# Allegro board HB1A-AAFM.brd (continued)
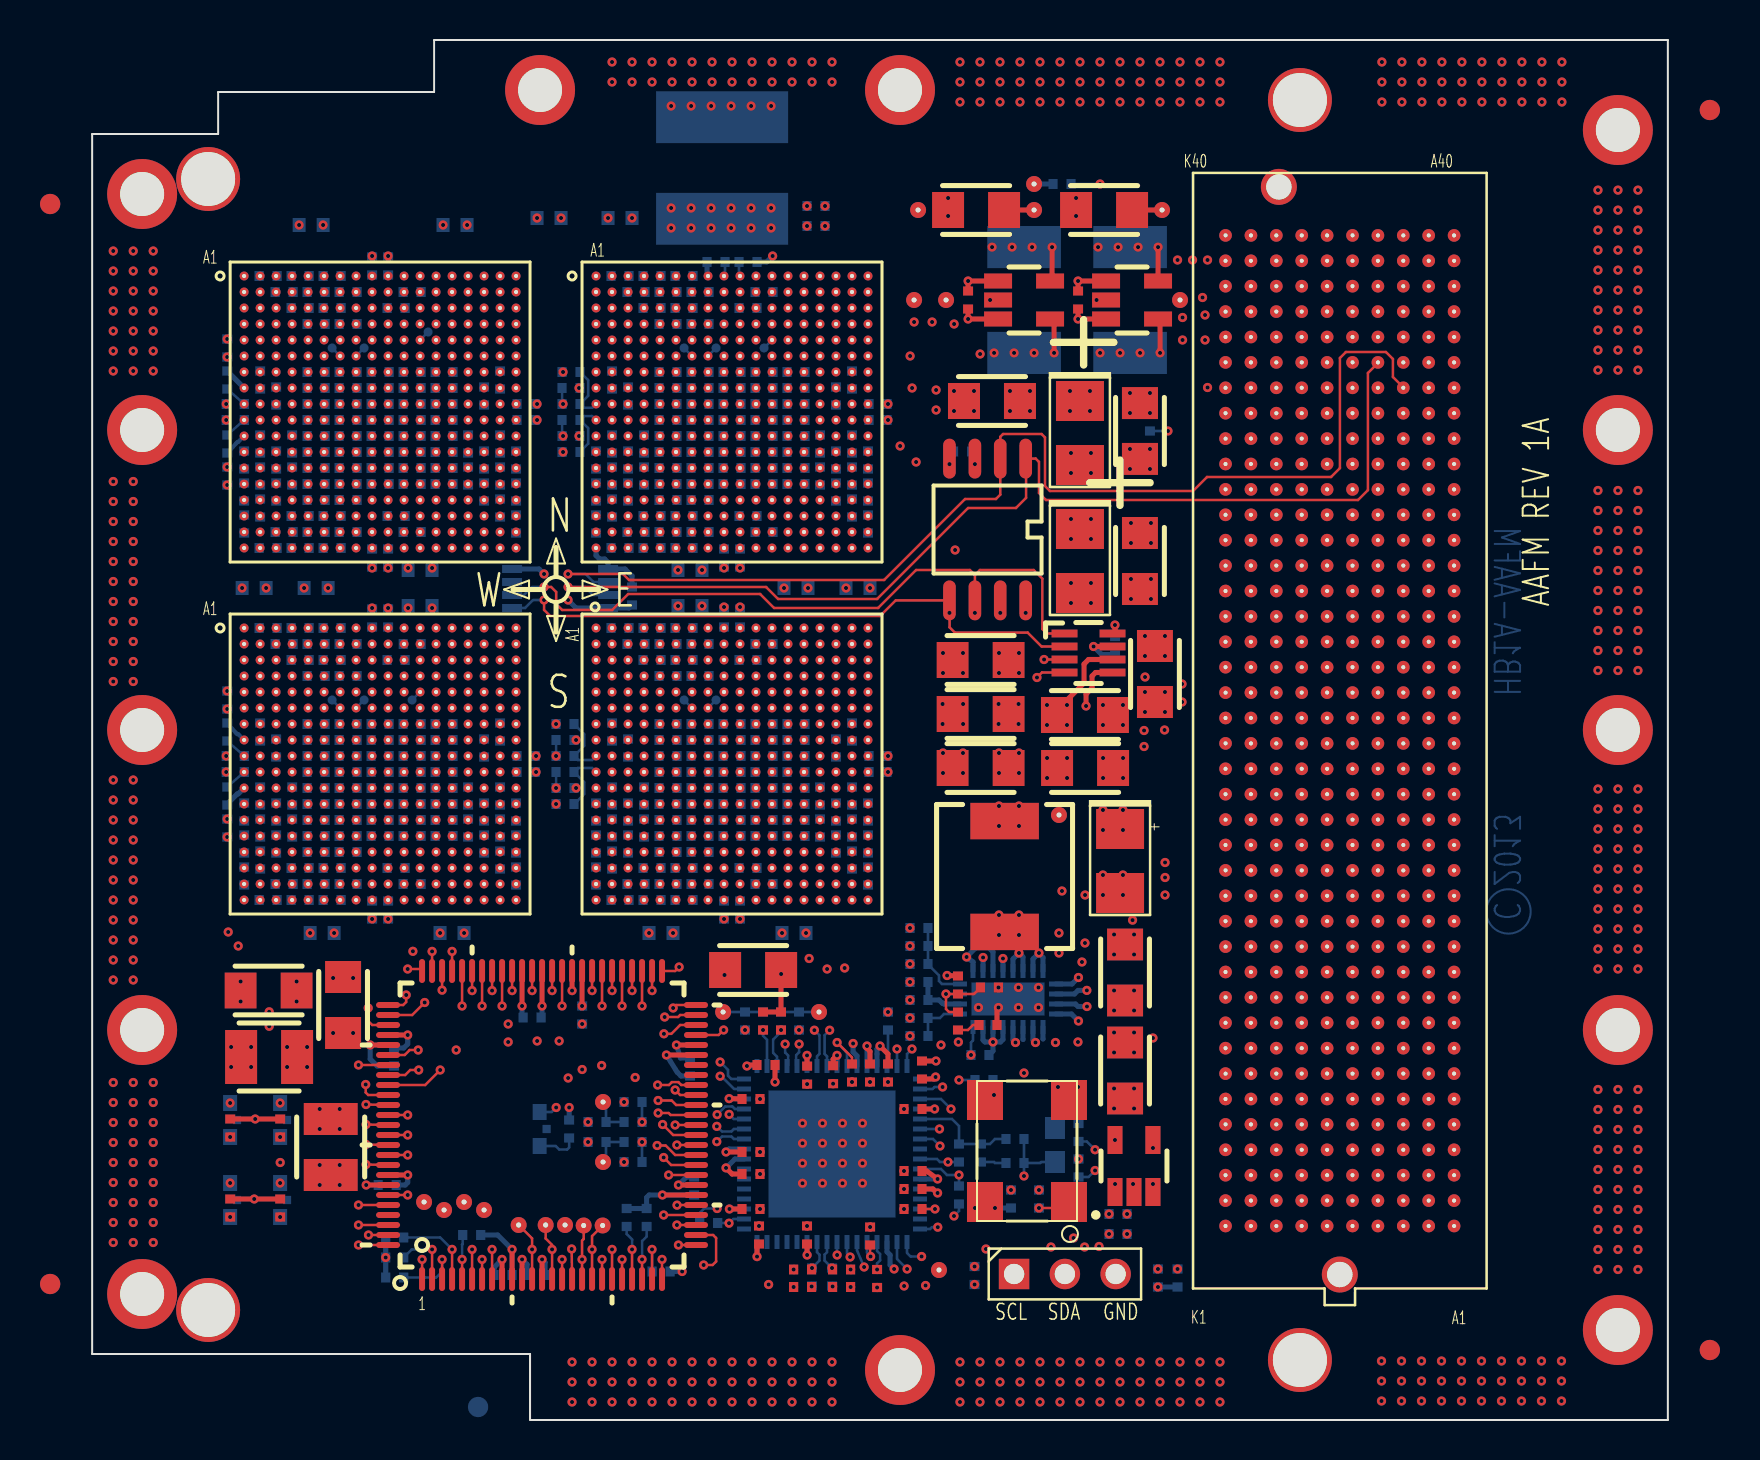
[diagram p0: board, top side]
## Routing (per net, layer and track width the routed paths; a pad name or vN(x,y) marks a point on that pad's centre or on a via; arc(x,y) is an arc through that point) (continued)
UR_LR_SN_DATA_N_2: length 29.3
  SIGNAL_L5-X w0.114: U4.U14 35.4,44 35.2,43.8 35.2,43.36 35.04,43.2 34.25,43.2 33.95,42.9 33.95,42.3 34.15,42.1 36.38,42.1 36.53,41.95 36.53,41.62 36.65,41.5 36.89,41.5 37.01,41.62 37.01,42.2 37.13,42.32 38,42.32 38.15,42.17 38.15,41.35 37.95,41.15 34.35,41.15 33.51,41.99 31.45,41.99 31.22,41.76 29,41.76 28.43,42.33 25.79,42.33 25.34,41.89 25.34,41.31 25.86,40.79 27.51,40.79 28,40.3 28,38.6 27.8,38.4 U8.C4
UR_LR_SN_DATA_N_3: length 29.2
  SIGNAL_L5-X w0.114: U8.D5 28,37.6 28,38.2 28.2,38.4 29.36,38.4 29.4,38.41 29.6,38.6 29.6,39.8 29.41,39.98 29.03,39.98 27.78,41.23 26.04,41.23 25.78,41.49 25.78,41.67 26.01,41.89 28.13,41.89 28.7,41.32 31.23,41.32 31.47,41.08 32.71,41.08 32.91,40.88 32.91,40.57 33.03,40.45 33.27,40.45 33.39,40.57 33.39,40.88 33.5,40.99 33.74,40.99 34.05,40.68 38.68,40.68 39.3,41.3 39.3,42.5 39.04,42.76 36.34,42.76 36.23,42.87 36.23,43.03 36.4,43.2 U4.V15
UR_LR_SN_DATA_N_4: length 29.2
  SIGNAL_L5-X w0.114: U8.A4 27.6,40.2 27.23,40.57 25.77,40.57 25.12,41.21 25.12,41.98 25.7,42.55 28.6,42.55 29.15,42 31,42 31.21,42.21 33.2,42.21 33.4,42.41 33.4,42.7 33.5,42.8 33.5,43 33.3,43.2 28.2,43.2 28,43.4 28,43.8 28.2,44 35,44 35.2,44.2 35.2,45.6 U4.R14
UR_LR_SN_DATA_N_5: length 29.1
  SIGNAL_L5-X w0.114: U8.B5 28.8,39.2 28.8,39.9 27.69,41.01 25.95,41.01 25.56,41.4 25.56,41.76 25.91,42.11 28.28,42.11 28.85,41.54 31.51,41.54 31.75,41.3 32.65,41.3 32.8,41.45 32.8,41.62 32.95,41.77 33.18,41.77 33.35,41.6 33.35,41.31 33.45,41.21 33.94,41.21 34.25,40.9 38.3,40.9 38.5,41.1 38.5,41.95 38.65,42.1 38.95,42.1 39.07,42.22 39.07,42.42 38.95,42.54 36.79,42.54 36.65,42.4 35.25,42.4 35.1,42.55 35.1,42.8 35.25,42.95 35.65,42.95 36,43.3 36,44.8 U4.T15
UR_LR_SN_DATA_N_6: length 28.5
  SIGNAL_L5-X w0.114: U8.C6 29.6,38.2 29.8,38.4 30.2,38.4 30.4,38.6 30.4,39.85 30.04,40.2 29.14,40.2 28.6,40.75 28.6,40.95 28.75,41.1 30.95,41.1 31.1,40.95 31.1,40.45 31.34,40.2 34.35,40.2 34.47,40.33 34.47,40.33 34.59,40.45 34.83,40.45 34.95,40.33 34.95,40.33 35.07,40.2 35.31,40.2 35.43,40.33 35.43,40.33 35.55,40.45 35.79,40.45 35.91,40.33 35.91,40.33 36.03,40.2 36.27,40.2 36.39,40.33 36.39,40.33 36.51,40.45 36.75,40.45 36.87,40.33 36.87,40.33 36.99,40.2 37.23,40.2 37.35,40.33 37.35,40.33 37.47,40.45 37.71,40.45 37.83,40.33 37.83,40.33 37.95,40.2 38.19,40.2 38.31,40.33 38.31,40.33 38.43,40.45 38.67,40.45 38.79,40.33 38.79,40.33 38.91,40.2 39.25,40.2 39.25,40.2 39.4,40.35 39.4,40.8 39.61,41.02 40.19,41.02 40.3,41.13 40.3,41.3 40.2,41.4 39.6,41.4 39.52,41.48 39.52,41.7 39.62,41.8 40.2,41.8 40.3,41.9 40.3,42.1 40.2,42.2 39.6,42.2 39.52,42.28 39.52,42.5 39.62,42.6 40.2,42.6 40.3,42.7 40.3,42.9 40.22,42.98 37.12,42.98 36.8,43.3 36.8,44 U4.U16
UR_LR_SN_DATA_N_7: length 29.2
  SIGNAL_L5-X w0.114: U4.V17 38.4,44 39.45,44 39.95,44.5 40.25,44.5 40.57,44.18 40.57,43.43 40.82,43.18 40.82,38.47 40.6,38.25 39.65,38.25 39,37.6 37.8,37.6 37.6,37.8 37.6,39 37.4,39.2 37,39.2 36.8,39 36.8,37.8 36.6,37.6 36.2,37.6 36,37.8 36,39 35.8,39.2 35.4,39.2 35.2,39 35.2,37.8 35,37.6 34.62,37.6 34.4,37.83 34.4,39 34.2,39.2 32.2,39.2 32,39 32,37 31.8,36.8 30.4,36.8 U8.D7
UR_LR_SN_DATA_P_0: length 29.3
  SIGNAL_L5-X w0.114: U4.R11 32.9,46 32.8,46.1 32.8,47 33,47.2 33.4,47.2 33.6,47.4 33.6,47.9 33.7,48 34.2,48 34.4,48.2 34.4,48.6 34.2,48.8 33,48.8 32.8,49 32.8,49.4 33,49.6 35,49.6 35.2,49.8 35.2,50.2 35,50.4 33,50.4 32.8,50.2 32.8,49.8 32.6,49.6 32.2,49.6 32,49.4 32,49 31.8,48.8 31.4,48.8 31.2,48.6 31.2,48.2 31,48 30.6,48 30.4,47.8 30.4,47.4 30.2,47.2 29.8,47.2 29.6,47 29.6,46.6 29.4,46.4 29,46.4 28.8,46.2 28.8,45.8 28.6,45.6 28.2,45.6 28,45.4 28,45 27.8,44.8 27.4,44.8 27.2,44.6 27.2,44.2 27,44 26.6,44 26.4,43.8 26.4,43.3 26.12,43.02 25.54,43.02 24.68,42.16 24.68,41.03 25.59,40.12 26.28,40.12 U8.A3
UR_LR_SN_DATA_P_1: length 29
  SIGNAL_L8-X w0.089: U8.B4 28,39.2 28,39.9 27.64,40.26 25.77,40.26 24.8,41.22 24.8,41.85 25.93,42.98 26.38,42.98 26.62,43.22 27.02,43.22 27.2,43.4 27.2,43.8 27.4,44 27.8,44 28,44.2 28,44.6 28.2,44.8 28.6,44.8 28.8,45 28.8,45.4 29,45.6 29.4,45.6 29.6,45.4 29.6,45 29.4,44.8 29,44.8 28.8,44.6 28.8,44.2 28.6,44 28.2,44 28,43.8 28,43.35 28.13,43.22 32.44,43.22 33.35,42.3 34.44,42.3 34.74,41.99 34.89,41.99 35,42.1 35,42.23 34.51,42.71 33.54,42.71 32.8,43.45 32.8,44.6 33,44.8 33.4,44.8 33.6,45 U4.T12
UR_LR_SN_DATA_P_2: length 29.3
  SIGNAL_L8-X w0.089: U8.C5 28.7,38 28.79,38.09 28.79,39.91 28,40.7 25.95,40.7 25.58,41.07 25.58,41.07 25.35,41.3 25.35,41.71 26.18,42.54 26.75,42.54 26.98,42.77 27.32,42.77 27.56,42.54 27.85,42.54 28.09,42.77 28.47,42.77 29.14,42.11 31.73,42.11 31.98,41.86 33.45,41.86 34.43,40.88 38.13,40.88 38.29,41.04 38.29,42.02 38.1,42.21 37.54,42.21 37.42,42.33 37.42,42.63 37.3,42.75 37.06,42.75 36.94,42.63 36.94,42.33 36.82,42.21 36.58,42.21 36.46,42.33 36.46,42.63 36.34,42.75 36.1,42.75 35.98,42.63 35.98,42.33 35.86,42.21 35.64,42.21 34.4,43.45 34.4,44 U4.U13
UR_LR_SN_DATA_P_3: length 29.2
  SIGNAL_L8-X w0.089: U4.V14 36.02,44.02 39.05,44.02 39.26,43.81 39.26,43.37 39.69,42.94 39.69,40.62 39.29,40.22 33.42,40.22 32.6,41.04 30.81,41.04 30.4,41.45 28.86,41.45 28.43,41.88 27.03,41.88 26.9,41.75 26.9,41.5 27.04,41.36 28.4,41.36 28.67,41.09 29.51,41.09 29.75,40.85 29.75,40.35 29.9,40.2 30.25,40.2 30.4,40.05 30.4,39.4 30.2,39.2 29.8,39.2 29.6,39 29.6,37.8 U8.D6
UR_LR_SN_DATA_P_4: length 29.2
  SIGNAL_L8-X w0.089: U8.A5 28.4,39.91 27.84,40.48 25.86,40.48 25.07,41.27 25.07,41.77 26.06,42.76 26.55,42.76 26.78,42.99 29.5,42.99 29.84,42.65 30.05,42.65 30.39,42.99 30.7,42.99 30.95,42.75 31.2,42.75 31.21,42.76 31.21,42.76 31.44,42.99 31.85,42.99 32,42.85 32,42.28 32.2,42.08 33.55,42.08 34.53,41.1 34.8,41.1 35,41.3 35,41.6 35.1,41.7 35.3,41.7 35.4,41.6 35.4,41.3 35.6,41.1 36.1,41.1 36.25,41.25 36.25,41.55 36.4,41.7 36.63,41.7 36.73,41.6 36.73,41.22 36.85,41.1 37.15,41.1 37.3,41.25 37.3,41.84 37.15,41.99 35.55,41.99 34.32,43.22 33.73,43.22 33.6,43.35 33.6,44.6 33.8,44.8 34.2,44.8 34.4,45 34.4,45.6 U4.R13
UR_LR_SN_DATA_P_5: length 29.1
  SIGNAL_L8-X w0.089: U8.B6 29.4,39.2 29.6,39.4 29.6,39.8 28.26,41.14 26.31,41.14 26.03,41.41 26.03,41.77 26.36,42.1 28.52,42.1 28.95,41.67 30.6,41.67 31.01,41.26 33.34,41.26 33.5,41.1 33.5,40.95 33.35,40.8 33.35,40.65 33.56,40.44 39.2,40.44 39.47,40.71 39.47,42.84 39.1,43.22 35.38,43.22 35.2,43.4 35.2,44.6 35.4,44.8 U4.T14
UR_LR_SN_DATA_P_6: length 28.5
  SIGNAL_L5-X w0.114: U8.C7 29.6,37.6 29.6,36.2 29.8,36 32.6,36 32.8,36.2 32.8,38.2 33,38.4 33.4,38.4 33.6,38.2 33.6,37.8 33.8,37.6 34.2,37.6 34.4,37.4 34.4,37 34.6,36.8 39.2,36.8 39.45,37.05 39.45,37.45 39.93,37.93 40.62,37.93 41.04,38.35 41.04,43.36 40.79,43.61 40.79,44.41 40.4,44.8 36.8,44.8 U4.U15
UR_LR_SN_DATA_P_7: length 29.3
  SIGNAL_L5-X w0.114: U8.D8 31.2,37.6 31.2,39.8 31.38,39.98 34.22,39.98 34.4,39.8 34.4,39.41 34.61,39.2 35,39.2 35.2,39.4 35.2,39.78 35.4,39.98 35.81,39.98 36,39.8 36,39.4 36.2,39.2 36.6,39.2 36.8,39.4 36.8,39.78 37,39.98 37.41,39.98 37.6,39.8 37.6,39.4 37.8,39.2 38.2,39.2 38.4,39.4 38.4,39.78 38.6,39.98 39,39.98 39.19,39.8 39.19,38.77 39.35,38.6 39.6,38.6 39.75,38.75 39.75,40.55 39.85,40.65 40.05,40.65 40.15,40.55 40.15,38.75 40.29,38.61 40.46,38.61 40.6,38.75 40.6,43 40.3,43.3 39.75,43.3 39.65,43.4 39.65,43.65 39.55,43.75 39.35,43.75 39.2,43.6 39.2,43.35 39.05,43.2 37.6,43.2 U4.V16
UR_LR_SN_FRAME_N: length 30.9
  SIGNAL_L12-X w0.089: U8.B7 29.8,38.4 29.6,38.2 29.6,36.15 29.45,36 29,36 28.8,36.2 28.8,36.6 28.6,36.8 28.2,36.8 28,37 28,37.4 27.8,37.6 27.4,37.6 27.2,37.8 27.2,38.2 27,38.4 26.6,38.4 26.4,38.6 26.4,39 26.2,39.2 25.8,39.2 25.6,39.4 25.6,39.8 24.3,41.1 24.3,42.1 25.6,43.4 25.6,43.8 25.8,44 26.2,44 26.4,44.2 26.4,44.6 26.6,44.8 27,44.8 27.2,45 27.2,45.4 27.4,45.6 27.8,45.6 28,45.8 28,46.2 28.2,46.4 28.6,46.4 28.8,46.6 28.8,47 29,47.2 29.4,47.2 29.6,47.4 29.6,47.75 29.85,48 30.2,48 30.4,48.2 30.4,48.6 30.6,48.8 31,48.8 31.2,49 31.2,49.4 31.4,49.6 31.8,49.6 32,49.8 32,50.2 32.2,50.4 32.6,50.4 32.8,50.2 32.8,46.65 32.6,46.45 U4.R10
UR_LR_SN_FRAME_P: length 30.7
  SIGNAL_L8-X w0.089: U4.R9 32.15,46.4 32.55,46.4 32.8,46.65 32.8,46.95 33.05,47.2 33.4,47.2 33.6,47.4 33.6,47.8 33.8,48 39.1,48 39.9,47.2 39.9,45.95 40.57,45.28 40.57,39.07 39.47,37.97 39.47,37.27 39.02,36.81 32.98,36.81 32.8,37 32.8,37.4 32.6,37.6 31.4,37.6 31.2,37.8 31.2,38.15 U8.B8
UR_LR_SN_LCLK_N: length 29
  SIGNAL_L8-X w0.089: U4.V13 35,43.25 35.25,42.99 37.5,42.99 37.7,42.8 37.7,42.55 37.8,42.45 38,42.45 38.1,42.55 38.1,42.9 38.2,42.99 38.9,42.99 39.2,42.7 39.2,42.2 39.05,42.05 38.95,42.05 38.84,42.16 38.84,42.48 38.72,42.6 38.6,42.6 38.51,42.51 38.51,41.3 38.66,41.15 39.1,41.15 39.25,41 39.25,40.8 39.11,40.66 34.33,40.66 33.35,41.64 31.48,41.64 31.23,41.89 29.05,41.89 28.62,42.32 26.27,42.32 25.66,41.71 25.66,41.31 25.8,41.16 25.8,41.16 26.04,40.92 28.13,40.92 29.05,40 U8.A6
UR_LR_SN_LCLK_P: length 29.2
  SIGNAL_L12-X w0.089: U8.A7 29.6,39.2 29.6,38.6 29.4,38.4 29,38.4 28.8,38.2 28.8,37.8 28.6,37.6 28.2,37.6 28,37.8 28,38.2 27.8,38.4 27.4,38.4 27.2,38.6 27.2,39 27,39.2 26.6,39.2 26.4,39.4 26.4,39.8 26.2,40 25.81,40 24.52,41.29 24.52,42.01 25.71,43.2 26.2,43.2 26.4,43.4 26.4,43.8 26.6,44 27,44 27.2,44.2 27.2,44.6 27.4,44.8 27.8,44.8 28,45 28,45.4 28.2,45.6 28.6,45.6 28.8,45.8 28.8,46.2 29,46.4 29.4,46.4 29.6,46.6 29.6,47 29.8,47.2 30.2,47.2 30.4,47.4 30.4,47.8 30.6,48 31,48 31.2,47.8 31.2,45.8 31,45.6 30.6,45.6 30.4,45.4 30.4,44.2 30.6,44 31,44 31.2,43.8 31.2,43.4 31.6,42.99 32.84,42.99 33.05,43.2 33.4,43.2 33.6,43.4 U4.V12
UR_LR_SN_RD_WAIT_N: length 29.4
  SIGNAL_L8-X w0.089: U4.U12 34.4,44.6 34.6,44.8 35,44.8 35.2,45 35.2,45.4 35.4,45.6 35.85,45.6 36,45.45 36,44.95 36.15,44.8 36.65,44.8 36.8,44.95 36.8,45.45 36.95,45.6 37.45,45.6 37.6,45.45 37.6,44.95 37.75,44.8 38.25,44.8 38.4,44.95 38.4,45.45 38.55,45.6 39.2,45.6 39.85,44.95 39.85,44.8 39.75,44.7 39.35,44.7 39.2,44.55 39.2,44.35 39.3,44.25 39.75,44.25 39.9,44.1 39.9,43.9 39.8,43.8 39.65,43.8 39.5,43.65 39.5,43.45 39.91,43.04 39.91,40.46 39.25,39.8 39.25,39.45 39,39.2 38.6,39.2 38.4,39.4 38.4,39.85 38.25,40 37.75,40 37.6,39.85 37.6,39.35 37.45,39.2 36.95,39.2 36.8,39.35 36.8,39.85 36.65,40 36.15,40 36,39.85 36,39.35 35.85,39.2 35.35,39.2 35.2,39.35 35.2,39.85 35.05,40 34.55,40 34.4,39.85 34.4,39.35 34.25,39.2 33,39.2 32.8,39.4 32.8,39.8 32.6,40 32.2,40 32,39.8 32,39.2 U8.B9
UR_LR_SN_RD_WAIT_P: length 29.5
  SIGNAL_L12-X w0.089: U8.B10 32.1,38.8 32.01,38.71 32.01,38.54 32.15,38.4 32.6,38.4 32.8,38.2 32.8,37.8 33,37.6 33.4,37.6 33.6,37.4 33.6,37 33.8,36.8 35.8,36.8 36,37 36,37.4 36.2,37.6 36.6,37.6 36.8,37.4 36.8,37 37,36.8 37.4,36.8 37.6,37 37.6,37.4 37.8,37.6 38.2,37.6 38.4,37.4 38.4,37 38.6,36.8 39.05,36.8 39.46,37.21 39.46,37.54 40.13,38.22 40.13,42.83 39.47,43.49 39.47,43.84 39.25,44.06 39.25,44.55 39,44.8 38.6,44.8 38.4,44.6 38.4,44.2 38.2,44 37.8,44 37.6,44.2 37.6,44.6 37.4,44.8 37.05,44.8 36.8,44.55 36.8,44.2 36.6,44 36.2,44 36,44.2 36,44.6 35.8,44.8 35.4,44.8 35.2,44.6 35.2,44.2 35,44 34.6,44 34.4,44.2 34.4,44.6 34.2,44.8 33.3,44.8 33.2,44.7 U4.U11
UR_LR_SN_WR_WAIT_N: length 29.1
  SIGNAL_L15-X w0.114: U4.T11 33.4,45.6 33.6,45.8 33.6,47 33.8,47.2 39.2,47.2 41.26,45.15 41.26,39.65 41.01,39.4 41.01,38.6 40.02,37.62 36.2,37.62 36,37.42 36,36.98 35.83,36.8 34.6,36.8 34.4,37 34.4,37.4 34.2,37.6 31.35,37.6 U8.C8
UR_LR_SN_WR_WAIT_P: length 29.1
  SIGNAL_L8-X w0.089: U8.C9 32,38.4 32.6,38.4 32.8,38.2 32.8,37.8 33,37.6 39,37.6 39.25,37.85 39.25,38.34 39.47,38.56 39.47,39.05 39.69,39.27 39.69,39.62 40.35,40.28 40.35,45.07 39.68,45.75 39.68,46.57 39.05,47.2 38.6,47.2 38.4,47 38.4,46.6 38.2,46.4 37.8,46.4 37.6,46.6 37.6,47 37.4,47.2 37,47.2 36.8,47 36.8,46.6 36.6,46.4 36.2,46.4 36,46.6 36,47 35.8,47.2 33.8,47.2 33.6,47 33.6,46.6 33.4,46.4 33,46.4 32.8,46.2 32.8,45.8 32.6,45.6 U4.T10
UR_RESET_L: length 86.8
  TOP w0.127: U9.3 v1(17.5,8.03)
  SIGNAL_L4-Y w0.114: v1(43.1,54.8) 43.1,53.9 44.7,52.31 44.7,46.71 44.19,46.19 44.19,43.41 44.6,42.99 44.6,40.1 44.28,39.78 44.28,31.08 43.41,30.2 43.41,25.7 42.58,24.88 42.58,23.05 43.2,22.43 43.2,20.8 41.41,19 41.41,15.3 39.7,13.6 39.7,11.9 39.2,11.4 29.78,11.4 29.6,11.22 29.18,11.22 28.73,10.78 27.8,10.78 27.68,10.9 20.95,10.9 20.05,10 18.1,10 TP26.1
  SIGNAL_L11-Y w0.089: TP26.1 17.6,9.4 17.5,9.3 v1(17.5,8.03)
  SIGNAL_L15-X w0.114: U4.F11 33.6,53.6 33.6,54.2 33.8,54.4 42.7,54.4 v1(43.1,54.8)
  BOTTOM w0.127: v1(17.5,8.03) 17.5,8.03 17.5,7.42 17.2,7.12 R201.2
UR_RXI_EA_DATA_N_0: length 36.2
  SIGNAL_L7-Y w0.089: U4.T18 39.2,44.8 44.75,44.8 45.34,44.21 45.47,44.21 45.8,44.55 45.93,44.55 46.06,44.42 46.06,44.3 45.72,43.96 45.72,43.84 45.85,43.71 45.97,43.71 46.31,44.05 46.43,44.05 46.56,43.92 46.56,43.79 46.22,43.46 46.22,43.33 46.35,43.2 46.47,43.2 46.81,43.54 46.94,43.54 47.06,43.41 47.06,43.29 46.73,42.95 46.73,42.83 46.85,42.7 46.98,42.7 47.31,43.04 47.44,43.04 47.57,42.91 47.57,42.79 47.23,42.45 47.23,42.33 47.36,42.2 47.48,42.2 47.82,42.53 47.95,42.53 48.07,42.41 48.07,42.28 47.73,41.95 47.73,41.82 48.2,41.35 50.28,41.35 52,39.62 53.92,39.62 55.55,37.99 55.55,37.38 55.84,37.09 65.02,37.09 P1.C23
UR_RXI_EA_DATA_N_1: length 36.1
  SIGNAL_L7-Y w0.089: U4.R17 38.42,45.58 39.78,45.58 40.13,45.23 45.73,45.23 45.94,45.01 46.07,45.01 46.47,45.41 46.59,45.41 46.72,45.28 46.72,45.16 46.32,44.76 46.32,44.63 46.45,44.51 46.57,44.51 46.97,44.91 47.1,44.91 47.22,44.78 47.22,44.65 46.83,44.26 46.83,44.13 46.95,44 47.08,44 47.48,44.4 47.6,44.4 47.73,44.28 47.73,44.15 47.33,43.75 47.33,43.62 47.46,43.5 47.58,43.5 47.98,43.9 48.11,43.9 48.23,43.77 48.23,43.65 47.83,43.25 47.83,43.12 47.96,42.99 48.09,42.99 48.48,43.39 48.61,43.39 48.74,43.27 48.74,43.14 48.34,42.74 48.34,42.62 48.66,42.3 49.17,42.3 49.26,42.39 49.26,43.39 49.35,43.48 49.53,43.48 49.62,43.39 49.62,42.39 49.7,42.3 50.25,42.3 50.78,41.77 50.78,41.3 52.18,39.9 52.57,39.9 52.66,39.99 52.66,40.56 52.75,40.65 52.93,40.65 53.02,40.56 53.02,39.99 53.11,39.9 53.28,39.9 53.37,39.99 53.37,40.56 53.46,40.65 53.64,40.65 53.73,40.56 53.73,39.99 53.82,39.9 54.08,39.9 55.82,38.16 58.7,38.16 P1.H23
UR_RXI_EA_DATA_N_2: length 36.1
  SIGNAL_L12-X w0.089: P1.G22 59.86,37 56.25,37 55.58,37.67 51.78,37.67 51.69,37.59 51.69,36.46 51.6,36.38 51.42,36.38 51.33,36.46 51.33,37.59 51.24,37.67 51.06,37.67 50.98,37.59 50.98,36.46 50.89,36.38 50.71,36.38 50.62,36.46 50.62,37.59 50.53,37.67 49.75,37.67 48.13,39.3 41.73,39.3 40.91,40.12 40.91,45.77 39.45,47.23 37.62,47.23 U4.P16
UR_RXI_EA_DATA_N_3: length 36.2
  SIGNAL_L15-X w0.114: U4.N15 36.8,48 40.48,48 41.48,49 54.03,49 54.73,49.7 60.68,49.7 61.13,49.25 61.13,48.98 61.63,48.48 61.84,48.48 62.42,47.9 62.42,43.74 62.05,43.38 61.66,43.38 61.1,42.83 61.1,42.6 60.63,42.12 59.89,42.12 P1.H26
UR_RXI_EA_DATA_N_4: length 36.3
  SIGNAL_L7-Y w0.089: P1.G25 59.97,40.7 55.9,40.7 55.1,41.5 55.1,45.33 54.68,45.75 54.68,47.05 53.68,48.05 52.63,48.05 52.38,48.3 52.38,48.8 52.18,49 51.25,49 51.08,49.17 45.58,49.17 45.49,49.09 45.49,48.39 45.4,48.3 45.22,48.3 45.13,48.39 45.13,49.09 45.04,49.17 44.86,49.17 44.78,49.09 44.78,48.39 44.69,48.3 44.51,48.3 44.42,48.39 44.42,49.09 44.33,49.17 44.15,49.17 44.06,49.09 44.06,48.39 43.97,48.3 43.8,48.3 43.71,48.39 43.71,49.09 43.62,49.17 43.44,49.17 43.35,49.09 43.35,48.39 43.26,48.3 43.08,48.3 43,48.39 43,49.09 42.91,49.17 42.55,49.17 41.78,48.4 41.78,47.73 41.45,47.4 39.4,47.4 U4.P18
UR_RXI_EA_DATA_N_5: length 36.2
  SIGNAL_L7-Y w0.089: P1.D24 63.91,39.3 63.91,39.65 63.73,39.83 63.73,40.58 63.42,40.89 56.14,40.89 55.35,41.67 55.35,45.55 54.95,45.95 54.95,47.23 52.88,49.3 51.33,49.3 51.16,49.48 42.38,49.48 41.75,48.85 41.16,48.85 40.3,48 39.83,48 39.74,48.09 39.74,48.54 39.66,48.62 39.48,48.62 39.39,48.54 39.39,48.09 39.3,48 38.4,48 U4.N17
UR_RXI_EA_DATA_N_6: length 36.1
  SIGNAL_L5-X w0.114: U4.M16 37.58,48.02 39.22,48.02 41.21,46.02 41.38,46.02 41.73,46.38 41.9,46.38 42.07,46.21 42.07,46.04 41.72,45.68 41.72,45.51 41.89,45.34 42.06,45.34 42.41,45.7 42.58,45.7 42.75,45.53 42.75,45.36 42.4,45 42.4,44.83 42.83,44.4 44.03,44.4 44.43,44.8 44.43,45.6 44.8,45.98 49.14,45.98 49.27,46.09 49.27,46.73 49.38,46.85 49.62,46.85 49.74,46.73 49.74,46.09 49.86,45.98 50.1,45.98 50.22,46.09 50.22,46.73 50.34,46.85 50.59,46.85 50.7,46.73 50.7,46.09 50.83,45.98 51.06,45.98 51.19,46.09 51.19,46.73 51.3,46.85 51.55,46.85 51.66,46.73 51.66,46.09 51.78,45.98 52.02,45.98 52.14,46.09 52.14,46.73 52.27,46.85 52.5,46.85 52.62,46.73 52.62,46.09 52.74,45.98 53.18,45.98 54.18,44.98 54.4,44.98 54.52,45.09 54.52,45.95 54.64,46.08 54.88,46.08 55,45.95 55,45.09 55.12,44.98 55.83,44.98 56,45.15 56,45.35 56.41,45.75 58.73,45.75 P1.H29
UR_RXI_EA_DATA_N_7: length 36.4
  SIGNAL_L5-X w0.114: P1.G28 60.01,44.47 60.01,46.89 59.67,47.24 56.39,47.24 55.53,46.38 53.93,46.38 53.63,46.67 53.63,47.6 53.29,47.94 48.77,47.94 48.43,47.6 48.43,47 48.1,46.67 46.46,46.67 46.34,46.55 46.34,46.45 46.22,46.33 45.98,46.33 45.86,46.45 45.86,46.55 45.74,46.67 45.5,46.67 45.38,46.55 45.38,46.45 45.26,46.33 45.02,46.33 44.9,46.45 44.9,46.55 44.78,46.67 44.21,46.67 44.09,46.55 44.09,45.07 43.97,44.95 43.73,44.95 43.61,45.07 43.61,46.55 43.49,46.67 43.21,46.67 43.09,46.8 43.09,47.2 42.97,47.33 42.73,47.33 42.61,47.2 42.61,46.8 42.49,46.67 42.25,46.67 42.13,46.8 42.13,47.2 42.01,47.33 41.77,47.33 41.65,47.2 41.65,46.8 41.53,46.67 41.23,46.67 39.09,48.81 36.78,48.81 U4.L15
UR_RXI_EA_DATA_P_0: length 36.1
  SIGNAL_L7-Y w0.089: U4.U18 40.43,44.4 40.52,44.31 40.52,42.94 40.6,42.85 40.78,42.85 40.87,42.94 40.87,44.31 40.96,44.4 41.14,44.4 41.23,44.31 41.23,42.94 41.32,42.85 41.49,42.85 41.58,42.94 41.58,44.31 41.67,44.4 44.58,44.4 49.5,39.48 50.66,39.48 51.41,38.73 53.93,38.73 54.16,38.5 54.16,38.17 55.43,36.9 65.04,36.9 P1.C22
UR_RXI_EA_DATA_P_1: length 36
  SIGNAL_L7-Y w0.089: U4.T17 38.41,44.8 38.41,44.17 38.58,44 39.28,44 39.36,43.91 39.36,42.11 39.45,42.02 39.63,42.02 39.72,42.11 39.72,43.91 39.81,44 39.99,44 40.08,43.91 40.08,42.11 40.17,42.02 40.58,42.02 40.67,41.94 40.67,41.24 40.76,41.15 40.94,41.15 41.03,41.24 41.03,41.94 41.12,42.02 41.3,42.02 41.39,41.94 41.39,41.24 41.47,41.15 41.65,41.15 41.74,41.24 41.74,41.94 41.83,42.02 42.43,42.02 42.66,42.25 42.66,43.73 42.93,44 44.48,44 49.28,39.2 50.3,39.2 51.95,37.55 53.13,37.55 54.35,36.33 55.3,36.33 55.75,35.88 58.73,35.88 P1.H22
UR_RXI_EA_DATA_P_2: length 36
  SIGNAL_L5-X w0.114: U4.R16 37.58,46.38 39.64,46.38 41.57,44.46 41.57,42.7 41.69,42.58 42.13,42.58 42.25,42.46 42.25,42.22 42.13,42.1 41.69,42.1 41.57,41.98 41.57,41.09 41.78,40.88 42.93,40.88 43.16,41.1 v1(43.16,43.5)
  SIGNAL_L7-Y w0.089: v1(43.16,43.5) 44.45,43.5 51.08,36.88 51.08,35.5 51.38,35.2 51.98,35.2 52.18,35 54.66,35 55.05,34.6 59.99,34.6 P1.G21
UR_RXI_EA_DATA_P_3: length 36.2
  SIGNAL_L12-X w0.089: U4.P15 36.78,47.18 36.78,47.75 37.03,48 40.43,48 41.33,47.1 41.33,43.06 41.42,42.97 42.57,42.97 42.66,42.88 42.66,42.71 42.57,42.62 41.42,42.62 41.33,42.53 41.33,42.35 41.42,42.26 42.57,42.26 42.66,42.17 42.66,41.99 42.57,41.91 41.42,41.91 41.33,41.82 41.33,40.83 42.35,39.8 49.98,39.8 50.45,40.27 55.68,40.27 56.16,40.75 58.65,40.75 P1.H25
UR_RXI_EA_DATA_P_4: length 36.4
  SIGNAL_L7-Y w0.089: U4.R18 39.83,46 40.35,45.48 40.56,45.48 40.65,45.56 40.65,45.94 40.74,46.02 40.91,46.02 41,45.94 41,45.56 41.09,45.48 41.27,45.48 41.36,45.56 41.36,45.94 41.45,46.02 41.63,46.02 41.72,45.94 41.72,45.56 41.8,45.48 41.98,45.48 42.07,45.56 42.07,45.94 42.16,46.02 42.34,46.02 42.43,45.94 42.43,45.56 42.52,45.48 42.7,45.48 42.78,45.56 42.78,45.94 42.87,46.02 43.05,46.02 43.14,45.94 43.14,45.56 43.23,45.48 43.41,45.48 43.5,45.56 43.5,45.94 43.58,46.02 43.76,46.02 43.85,45.94 43.85,45.56 43.94,45.48 44.12,45.48 44.21,45.56 44.21,45.94 44.3,46.02 44.47,46.02 44.56,45.94 44.56,45.56 44.65,45.48 44.83,45.48 44.92,45.56 44.92,45.94 45.01,46.02 45.19,46.02 45.28,45.94 45.28,45.56 45.36,45.48 45.95,45.48 46.18,45.7 46.8,45.7 47.02,45.48 47.15,45.48 47.59,45.93 47.72,45.93 47.85,45.81 47.85,45.68 47.4,45.23 47.4,45.11 47.98,44.52 50.2,44.52 51.08,43.65 51.08,43.33 50.99,43.24 50.27,43.24 50.18,43.15 50.18,42.97 50.27,42.88 50.99,42.88 51.08,42.79 51.08,41.7 51.28,41.5 54.37,41.5 54.72,41.15 54.72,39.98 56.35,38.35 59.93,38.35 P1.G24
UR_RXI_EA_DATA_P_5: length 36.1
  SIGNAL_L7-Y w0.089: P1.D23 63.68,38.26 63.68,39.25 63.33,39.6 55.53,39.6 54.91,40.22 54.91,44.37 52.91,46.38 41.54,46.38 41.45,46.46 41.45,46.89 41.36,46.98 41.18,46.98 41.09,46.89 41.09,46.46 41,46.38 40.83,46.38 40.74,46.46 40.74,46.89 40.65,46.98 40.47,46.98 40.38,46.89 40.38,46.46 40.29,46.38 40.11,46.38 40.03,46.46 40.03,46.89 39.94,46.98 39.76,46.98 39.67,46.89 39.67,46.46 39.58,46.38 38.42,46.38 U4.P17
UR_RXI_EA_DATA_P_6: length 36.3
  SIGNAL_L5-X w0.114: U4.N16 37.61,47.19 39.45,47.19 42.6,44.02 43.35,44.02 43.58,43.8 43.58,43.14 43.7,43.02 44.08,43.02 44.2,42.9 44.2,42.66 44.08,42.54 43.7,42.54 43.58,42.42 43.58,42.18 43.7,42.06 44.08,42.06 44.2,41.94 44.2,41.7 44.08,41.58 43.7,41.58 43.58,41.46 43.58,39.55 43.75,39.38 44.6,39.38 44.78,39.55 44.78,45.05 45.35,45.62 52.98,45.62 53.98,44.62 58.59,44.62 P1.H28
UR_RXI_EA_DATA_P_7: length 36.3
  SIGNAL_L12-X w0.089: P1.G27 59.84,43.38 56.03,43.38 54.25,41.6 51.55,41.6 51.33,41.38 47.74,41.38 47.66,41.46 47.66,42.16 47.57,42.25 47.39,42.25 47.3,42.16 47.3,41.46 47.21,41.38 47.03,41.38 46.94,41.46 46.94,42.16 46.85,42.25 46.68,42.25 46.59,42.16 46.59,41.46 46.5,41.38 46.32,41.38 46.23,41.46 46.23,42.16 46.14,42.25 45.96,42.25 45.88,42.16 45.88,41.46 45.79,41.38 45.1,41.38 43.91,42.58 43.91,43.75 43.58,44.08 42.6,44.08 42.08,44.6 42.08,48.38 41.2,49.25 39.78,49.25 39.36,48.83 36.83,48.83 U4.M15
UR_RXI_EA_FRAME_N: length 36.3
  SIGNAL_L7-Y w0.089: P1.D27 63.68,42.1 56.18,42.1 55.73,42.55 55.73,45.88 55.5,46.11 55.5,49.52 55.13,49.9 54.8,49.9 54.71,49.99 54.71,50.44 54.62,50.52 54.44,50.52 54.35,50.44 54.35,49.99 54.26,49.9 54.08,49.9 53.99,49.99 53.99,50.44 53.91,50.52 53.73,50.52 53.64,50.44 53.64,49.99 53.55,49.9 51.63,49.9 51.45,50.08 40.63,50.08 40.16,49.6 38.4,49.6 U4.L17
UR_RXI_EA_FRAME_P: length 36
  SIGNAL_L7-Y w0.089: P1.D26 63.84,41.91 56.01,41.91 55.54,42.38 55.54,45.8 55.25,46.09 55.25,47.35 54.3,48.31 54.3,48.43 54.91,49.04 54.91,49.17 54.78,49.3 54.66,49.3 54.05,48.68 53.92,48.68 53.03,49.58 51.45,49.58 51.25,49.77 41.66,49.77 41.57,49.69 41.57,49.24 41.48,49.15 41.3,49.15 41.21,49.24 41.21,49.69 41.12,49.77 40.78,49.77 40.3,49.3 39.63,49.3 39.13,48.8 38.4,48.8 U4.M17
UR_RXI_EA_LCLK_N: length 36.4
  SIGNAL_L8-X w0.089: U4.M18 39.35,48.4 41.3,46.45 41.3,43.14 41.39,43.05 41.69,43.05 41.78,42.96 41.78,42.78 41.69,42.69 41.39,42.69 41.3,42.6 41.3,42.43 41.39,42.34 41.69,42.34 41.78,42.25 41.78,42.07 41.69,41.98 41.39,41.98 41.3,41.89 41.3,40.2 42.41,39.1 48.41,39.1 49.25,38.25 51.18,38.25 51.63,37.8 54.23,37.8 56.17,35.86 57.37,35.86 57.66,35.58 59.18,35.58 59.51,35.91 63.49,35.91 P1.D21
UR_RXI_EA_LCLK_P: length 36.2
  SIGNAL_L7-Y w0.089: P1.D20 63.68,34.45 63.68,35.4 63.45,35.62 56.03,35.62 55.93,35.52 54.18,35.52 53.78,35.92 53.33,35.92 53.13,36.12 53.13,36.67 v1(52.66,37.15)
  SIGNAL_L14-Y w0.114: v1(52.66,37.15) 52.1,37.15 51.53,36.58 45.03,36.58 44.73,36.88 44.73,42.92 40.05,47.6 U4.N18
UR_RXO_EA_RD_WAIT_N: length 36.5
  SIGNAL_L7-Y w0.089: P1.C27 64.89,43.4 56.35,43.4 56.11,43.64 56.11,50.54 54.68,51.98 47.97,51.98 47.88,52.06 47.88,52.26 47.8,52.35 47.62,52.35 47.53,52.26 47.53,52.06 47.44,51.98 40.7,51.98 40.3,51.58 39.43,51.58 39.05,51.2 38.4,51.2 U4.J17
UR_RXO_EA_RD_WAIT_P: length 36.3
  SIGNAL_L7-Y w0.089: P1.C26 64.91,42.12 64.91,42.9 64.62,43.18 56.22,43.18 55.92,43.48 55.92,45.96 55.8,46.08 55.8,50.2 55.16,50.85 51.6,50.85 51.45,51 40.63,51 40,50.38 38.38,50.38 U4.K17
UR_RXO_EA_WR_WAIT_N: length 36.3
  SIGNAL_L5-X w0.114: U4.K16 37.2,50 37.59,50.39 40.16,50.39 41.05,49.5 43.5,49.5 43.78,49.23 43.78,48.8 43.95,48.62 45.68,48.62 45.8,48.74 45.8,48.85 45.92,48.98 46.16,48.98 46.28,48.85 46.28,48.74 46.4,48.62 46.64,48.62 46.76,48.74 46.76,48.85 46.88,48.98 47.12,48.98 47.24,48.85 47.24,48.74 47.36,48.62 47.75,48.62 48.33,49.2 53.45,49.2 54.06,48.59 55.12,48.59 55.24,48.71 55.24,49.03 55.36,49.15 55.6,49.15 55.72,49.03 55.72,48.71 55.84,48.59 58.44,48.59 58.66,48.38 59.68,48.38 59.88,48.17 59.88,47.48 60.18,47.17 60.85,47.17 61.1,46.92 61.1,46.1 61.33,45.88 62.2,45.88 62.38,46.05 62.38,48.3 62.09,48.59 60.16,48.59 59.68,49.08 59.23,49.08 P1.H32
UR_RXO_EA_WR_WAIT_P: length 36.2
  SIGNAL_L5-X w0.114: U4.L16 37.6,49.6 40.16,49.6 41.41,48.35 41.82,48.35 41.94,48.47 41.94,49.13 42.06,49.25 42.3,49.25 42.42,49.13 42.42,48.47 42.54,48.35 42.78,48.35 42.9,48.47 42.9,49.13 43.02,49.25 43.26,49.25 43.38,49.13 43.38,48.47 43.5,48.35 44.53,48.35 44.78,48.1 44.78,47.4 45.1,47.08 45.39,47.08 45.51,47.2 45.51,48.18 45.63,48.3 45.87,48.3 45.99,48.18 45.99,47.2 46.11,47.08 46.35,47.08 46.47,47.2 46.47,48.18 46.59,48.3 46.83,48.3 46.95,48.18 46.95,47.2 47.07,47.08 47.8,47.08 48.05,47.33 48.05,48.48 48.55,48.98 50.67,48.98 50.79,48.85 50.79,48.47 50.91,48.35 51.15,48.35 51.27,48.47 51.27,48.85 51.39,48.98 53.3,48.98 54,48.28 55.02,48.28 55.14,48.16 55.14,47.15 55.26,47.02 55.5,47.02 55.62,47.15 55.62,48.16 55.74,48.28 58.25,48.28 58.73,47.8 P1.H31
